# Altium PCB eRTM15_Baikal.PcbDoc (part 3 of 7) (continued)
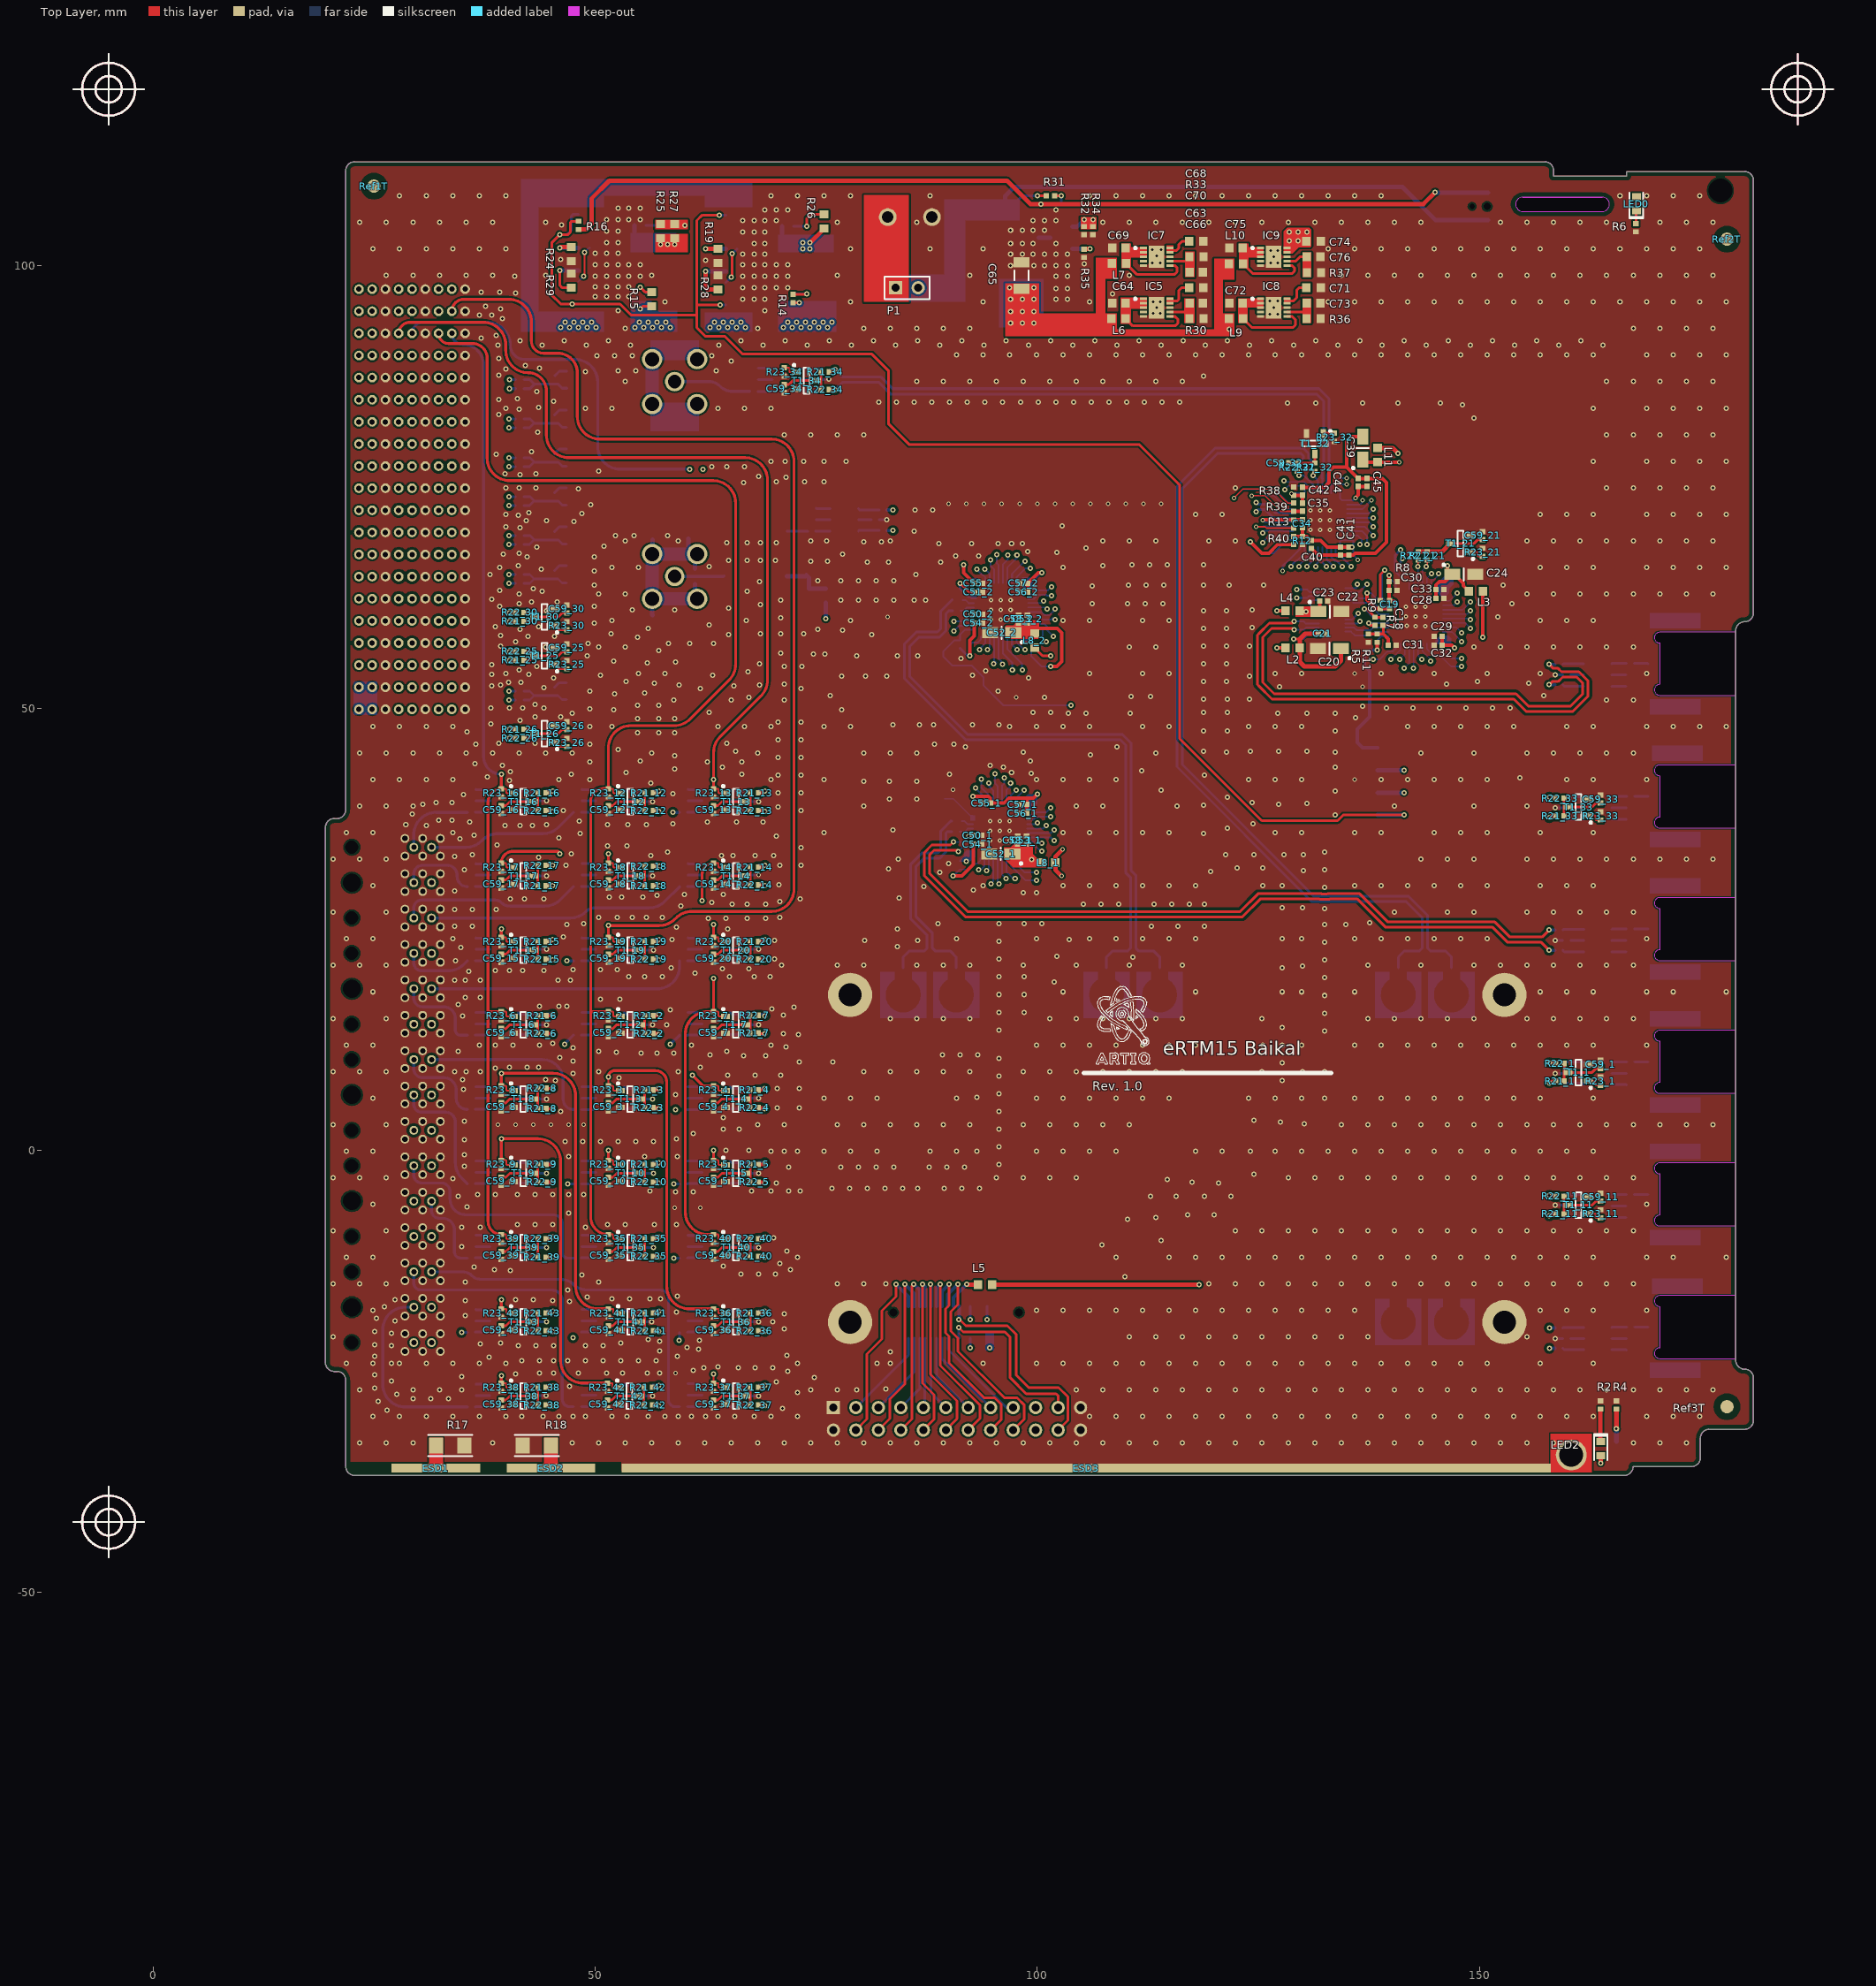
[diagram p0: Top Layer view]
## Part data (continued)
C67: library part CTE3216-18_2.2UF_25V_10%, "Polarised capacitor", Case=A, Manufacturer=GENERIC, Manufacturer1 ComponentHeight=1.8mm, Manufacturer1 Example=AVX, Manufacturer1 Part Number=TAJA225K025R, Tolerance=±10%, Voltage=25V, Author="CERN DEM JLC", Component Type=Standard, CreateDate=2008-05-26, HelpURL=\\cern.ch\dfs\Applications\Altium\Datasheets\CTE_AVX_TAJ.pdf, LatestRevisionDate=2008-05-26, Manufacturer Part Number=CTE3216-18_2.2UF_25V_10%, Mounted=Yes, Part Description="Solid Tantalum Chip Capacitor", Part Number=CTE3216-18_2.2UF_25V_10%, Pin Count=2, Sense=No, SMD=Yes, Socket=No, Status=Preferred
ESD1 ESD2 ESD3: "ESD Strip"
IC1 IC2: "Low Phase Noise, Dual Output Buffer/Driver/Logic Converter, LVPECL Logic Outputs", Case=SON12, Manufacturer="LINEAR TECHNOLOGY", Author="CERN DEM JLC", Bonding=No, ComponentHeight=0.8mm, Component Type=Standard, CreateDate=2016-12-07, Device=LTC6957IDD-1#PBF, HelpURL=\\cern.ch\dfs\Applications\Altium\Datasheets\LTC6957IDD-1#PBF.pdf, LatestRevisionDate=2016-12-07, Manufacturer Part Number=LTC6957IDD-1#PBF, Mounted=Yes, PackageDescription="SON, 0.45mm Pitch; 12 Pin, 3.00mm W X 3.00mm L X 0.80mm H Body (w/Thermal tab 1.75 x 2.48mm), IPC Medium Density", Part Description="Low Phase Noise, Dual Output Buffer/Driver/Logic Converter, LVPECL Logic Outputs", Part Number=LTC6957IDD-1#PBF, Pin Count=13, PressFit=No, Sense=No, SMD=Yes, Socket=No
IC3 IC4: "Dual SEPIC or Inverting uModule DC/DC Converter", Case=BGA77, Manufacturer="LINEAR TECHNOLOGY", Author="CERN DEM JLC", Bonding=No, ComponentHeight=2.62mm, Component Type=Standard, CreateDate=2016-12-08, Device=LTM8049EY#PBF, HelpURL=\\cern.ch\dfs\Applications\Altium\Datasheets\LTM8049EY#PBF.pdf, LatestRevisionDate=2016-12-08, Manufacturer Part Number=LTM8049EY#PBF, Mounted=Yes, PackageDescription="BGA, 1.27mm Pitch, Rect.; 77 Pin, 7 Columns X 11 Rows, 9.00mm X 15.00mm X 2.62mm H", Part Description="Dual SEPIC or Inverting uModule DC/DC Converter", Part Number=LTM8049EY#PBF, Pin Count=77, PressFit=No, Sense=No, SMD=Yes, Socket=No
IC5 IC7 IC8 IC9: "20V, 500mA, Ultralow Noise, Ultrahigh PSRR Linear Regulator", Case=SON10, Manufacturer="LINEAR TECHNOLOGY", Author="CERN DEM JLC", Bonding=No, ComponentHeight=0.8mm, Component Type=Standard, CreateDate=2016-12-07, Device=LT3045EDD#PBF, HelpURL=\\cern.ch\dfs\Applications\Altium\Datasheets\LT3045EDD#PBF.pdf, LatestRevisionDate=2016-12-07, Manufacturer Part Number=LT3045EDD#PBF, Mounted=Yes, PackageDescription="SON, 0.50mm Pitch, 10-pin, 3.00mm W  X 3.00mm L X 0.80mm Height, (w/thermal tab 1.75 X 2.48 mm), IPC Medium Density", Part Description="20V, 500mA, Ultralow Noise, Ultrahigh PSRR Linear Regulator", Part Number=LT3045EDD#PBF, Pin Count=11, PressFit=No, Sense=No, SMD=Yes, Socket=No
IC6: "3V-36V To 0.8V-10V, Iout 2A Ultralow Noise EMC Compliant DC/DC uModule", Case=LGA71, Manufacturer="LINEAR TECHNOLOGY", Author="CERN DEM JLC", Bonding=No, ComponentHeight=2.97mm, Component Type=Standard, CreateDate=2009-06-17, Device=LTM8032EV#PBF, HelpURL=\\cern.ch\dfs\Applications\Altium\Datasheets\LTM8032EV#PBF.pdf, LatestRevisionDate=2011-12-07, Manufacturer Part Number=LTM8032EV#PBF, Mounted=Yes, PackageDescription="LGA, 1.27mm pitch, rect., 71 pin, 7 columns X 11 rows, 9mm X 15mm X 2.97mm H", Part Description="3V-36V To 0.8V-10V, Iout 2A, Ultralow Noise EMC Compliant DC-DC uModule", Part Number=LTM8032EV#PBF, Pin Count=71, PressFit=No, Sense=No, SMD=Yes, Socket=No
J1 J3 J4 J5 J6 J18: library part TELEGARTNER_J01151A0451, Manufacturer=TELEGARTNER, Manufacturer Part Number=J01151A0451, Author="CERN DEM JLC", ComponentHeight=7mm, Component Type=Standard, CreateDate=27.10.2016, Family=SMA, HelpURL=\\cern.ch\dfs\Applications\Altium\Datasheets\TELEGARTNER_J01151A0451.pdf, LatestRevisionDate=27.10.2016, Mounted=Yes, Part Description="SMA 50 ohms Edge Mount Bulkhead Jack Receptacle", Part Number=TELEGARTNER_J01151A0451, Pin Count=2, PressFit=No, Sense=No, SMD=No, Socket=No, Status=None
J1_15 J2_15 J3_15 J4_15 J5_15: Manufacturer=Radiall, ManufacturerNr=R694.252.107W, Distributor=Radiall, DistributorNr=R694.252.107W
J2: library part SAMTEC_LSS-120-03-L-DV-A, "Connector 40 Hermaphroditic", Manufacturer=SAMTEC, Manufacturer Part Number=LSS-120-03-L-DV-A, Author="CERN DEM JMW", ComponentHeight=5.57mm, Component Type=Standard, CreateDate=10.11.2015, HelpURL=\\cern.ch\dfs\Applications\Altium\Datasheets\SAMTEC_LSS-120-03-L-DV-A.pdf, LatestRevisionDate=10.11.2015, Mounted=Yes, Part Description="40 Contacts, Pitch 0.635mm, Razor Beam LSS Vertical High Speed Hermaphroditic Strip (Lead Style 5.49mm)", Part Number=SAMTEC_LSS-120-03-L-DV-A, Pin Count=40, PressFit=No, Sense=No, SMD=Yes, Socket=No, Status=None
J7 J8: library part HUBER-SUHNER_82_SMA-50-0-41/133_NE, Manufacturer=HUBER+SUHNER, Manufacturer Part Number=82_SMA-50-0-41/133_NE, Author="CERN DEM JLC", ComponentHeight=9.6mm, Component Type=Standard, CreateDate=2010-04-20, Family=SMA, HelpURL=\\cern.ch\dfs\Applications\Altium\Datasheets\HUBER-SUHNER_82_SMA-50-0-41-133_NE.pdf, LatestRevisionDate=2014-11-06, Mounted=Yes, Part Description="SMA 50 Ohms Straight PCB Jack", Part Number=HUBER-SUHNER_82_SMA-50-0-41/133_NE, Pin Count=2, PressFit=No, Sense=No, SMD=No, Socket=No, Status=None
J9 J10 J11 J12 J13 J14 J15 J16: library part MOLEX_85305-0232, Manufacturer=MOLEX, Manufacturer Part Number=85305-0232, Author="CERN DEM JMW", ComponentHeight=4.1mm, Component Type=Standard, CreateDate=09.08.2016, Family=SMP, HelpURL=\\cern.ch\dfs\Applications\Altium\Datasheets\MOLEX_85305-0232.pdf, LatestRevisionDate=09.08.2016, Mounted=Yes, Part Description="50 Ohms, SMP Surface Mount Plug, Limited Detent", Part Number=MOLEX_85305-0232, Pin Count=2, PressFit=No, Sense=No, SMD=Yes, Socket=No, Status=None
J17: library part WIELAND_25.161.0253.0, "Terminal Block, 2 Positions, Screw Connection", Manufacturer=WIELAND, Manufacturer Part Number=25.161.0253.0, Author="CERN DEM JLC", ComponentHeight=15mm, Component Type=Standard, CreateDate=2009-06-03, Family=Terminal, HelpURL=\\cern.ch\dfs\Applications\Altium\Datasheets\WIELAND_25.161.0253.0.pdf, LatestRevisionDate=2009-06-03, Mounted=Yes, Part Description="16A 250VAC 2 Way PCB Terminal Block, Pitch 5mm, Screw Connection, Wire Size Max: 2.5mm2", Part Number=WIELAND_25.161.0253.0, Pin Count=3, PressFit=No, Sense=No, SMD=No, Socket=No, Status=None
J30: library part "ERmetZD 3-10 Connector 1", "Zone3 Backplane Connector - eRTM15 J30", Manufacturer=ERNI, ManufacturerNr=973028, Distributor=ERNI, DistributorNr=973028, Package=*, Type=THT, Value=*
J31: library part "ERmetZD 3-10 Connector 2", "Zone3 Backplane Connector - eRTM15 J31", Manufacturer=ERNI, ManufacturerNr=973028, Distributor=ERNI, DistributorNr=973028, Type=THT
L1 L2 L3 L4 L5 L6 L7 L8_1 L8_2 L9 L10 L11: library part IND0603_TDK_MPZ1608R391A, "Inductor", Case=0603, Manufacturer=TDK, Manufacturer Part Number=MPZ1608R391A, Power=1.2A, Resistance=0.12R, Tolerance=±25%, Author="CERN DEM JLC", ComponentHeight=0.95mm, Component Type=Standard, CreateDate=2009-12-02, HelpURL=\\cern.ch\dfs\Applications\Altium\Datasheets\IND0603_TDK_MPZ1608.pdf, LatestRevisionDate=2009-12-02, Mounted=Yes, Part Description="SMT Chip Bead for Power Line", Part Number=IND0603_TDK_MPZ1608R391A, Pin Count=2, Sense=No, SMD=Yes, Socket=No, Status=None
LED0: library part LED2, "LED", Package=0603, Type=SMT
LED1 LED2: library part LED3, "LED", Package=0603, Type=SMT
M1_1 M1_2: library part BMI-S-202-F, "STANDARD SURFACE MOUNT SHIELD  TWO-PIECE PART NO. BMI-S-202", Manufacturer="Laird Technologies", Manufacturer part name=BMI-S-202-F, Mounting type=SMT, Remark="part 1 - gasket, part 2 - cover", Supplier=Mouser, Supplier part 1 number=739-BMIS-202-F, Supplier part 2 number=739-BMIS-202-C
MSBOX2: library part MSBOX_WURTH_36103305, "Metal Screening Box 20 (4x5) Pins", Manufacturer=WURTH, Manufacturer Part Number=36103305, Author="CERN DEM JLC", ComponentHeight=3.1mm, Component Type=Standard, CreateDate=2012-07-02, HelpURL=\\cern.ch\dfs\Applications\Altium\Datasheets\MSBOX_WURTH_36103305.pdf, LatestRevisionDate=2012-07-02, Mounted=Yes, PackageDescription="Shielding Cabinet SMD-Frame WE-SHC, Internal Dimensions 30 x 30mm", Part Description="Shielding Cabinet SMD-Frame WE-SHC, Internal Dimensions 30 x 30mm", Part Number=MSBOX_WURTH_36103305, Pin Count=20, PressFit=No, Sense=No, SMD=Yes, Socket=No, Status=None
OSC1: library part OSC_100MHZ_CRYSTEK_CVHD-950-100.000, "Oscillator 4 pins 1=VC 2=GND 3=OUT 4=VDD", Manufacturer="CRYSTEK CRYSTAL", Manufacturer Part Number=CVHD-950-100.000, Author="CERN DEM BC", Bonding=No, ComponentHeight=5.3mm, Component Type=Standard, CreateDate=2016-11-04, HelpURL=\\cern.ch\dfs\Applications\Altium\Datasheets\OSC_CRYSTEK_CVHD-950.pdf, LatestRevisionDate=2016-11-04, Mounted=Yes, PackageDescription="Oscillator, 5.08mm Pitch; 4 Pin, 14.2mm L X 9.14mm W X 5.3mm H, CVHD-950 Serie", Part Description="3.3V, ±20ppm, 15pF, 0..70°C, CMOS Surface Mount Ultra-Low Noise Oscillator (CVHD-950 Series)", Part Number=OSC_100MHZ_CRYSTEK_CVHD-950-100.000, Pin Count=4, PressFit=No, Sense=No, SMD=Yes, Socket=No
P1: "Header, 2-Pin", LatestRevisionDate=17-Jul-2002, LatestRevisionNote="Re-released for DXP Platform.", Publisher="Altium Limited"
P2: "Header, 12-Pin, Dual row", LatestRevisionDate=17-Jul-2002, LatestRevisionNote="Re-released for DXP Platform.", Publisher="Altium Limited"
R1 R23_1 R23_2 R23_3 R23_4 R23_5 R23_6 R23_7 R23_8 R23_9 R23_10 R23_11 R23_12 R23_13 R23_14 R23_15 R23_16 R23_17 R23_18 R23_19 R23_20 R23_21 R23_22 R23_23 R23_24 R23_25 R23_26 R23_27 R23_28 R23_29 R23_30 R23_31 R23_32 R23_33 R23_34 R23_35 R23_36 R23_37 R23_38 R23_39 R23_40 R23_41 R23_42 R23_43: library part R0402_10K_1%_0.0625W_100PPM, "Resistor - 1%", Case=0402, Manufacturer=GENERIC, Manufacturer1 ComponentHeight=0.4mm, Manufacturer1 Example="YAGEO PHYCOMP", Manufacturer1 Part Number=232270671003L, Power=0.0625W, Tolerance=±1%, Author="CERN DEM JLC", Component Type=Standard, CreateDate=2007-12-03, HelpURL=\\cern.ch\dfs\Applications\Altium\Datasheets\R0402_Phycomp_RC0402.pdf, LatestRevisionDate=2012-10-17, Manufacturer Part Number=R0402_10K_1%_0.0625W_100PPM, Mounted=Yes, Part Description="General Purpose Thick Film Chip Resistor", Part Number=R0402_10K_1%_0.0625W_100PPM, Pin Count=2, Sense=No, SMD=Yes, Socket=No, Status="Not recommended", TC=±100ppm/°C
R1_1 R1_2 R1_3 R1_4 R1_5 R1_6 R1_7 R1_8 R1_9 R1_10 R1_11 R1_12 R1_13 R1_14 R1_15 R1_16 R1_17 R1_18 R1_19 R1_20 R1_21 R1_22 R1_23 R1_24 R1_25 R1_26 R1_27 R1_28 R1_29 R1_30 R1_31 R1_32 R1_33 R1_34 R1_35 R7 R9 R13 R31 R39: library part R0402_0R_JUMPER, "Resistor", Case=0402, Manufacturer=GENERIC, Manufacturer1 ComponentHeight=0.4mm, Manufacturer1 Example="YAGEO PHYCOMP", Manufacturer1 Part Number=232270591001L, Author="CERN DEM JLC", Component Type=Standard, CreateDate=2007-12-03, HelpURL=\\cern.ch\dfs\Applications\Altium\Datasheets\R0402_Phycomp_RC0402.pdf, LatestRevisionDate=2012-10-17, Manufacturer Part Number=R0402_0R_JUMPER, Part Description="1A (0.05R Max DC Resistance) Zero Ohm Jumper", Part Number=R0402_0R_JUMPER, Pin Count=2, Sense=No, SMD=Yes, Socket=No, Status="Not recommended"
  R1_1 R1_2 R1_3 R1_4 R1_5 R1_6 R1_7 R1_8 R1_9 R1_10 R1_11 R1_12 R1_13 R1_14 R1_15 R1_16 R1_17 R1_18 R1_19 R1_20 R1_21 R1_22 R1_23 R1_24 R1_25 R1_26 R1_27 R1_28 R1_29 R1_30 R1_31 R1_32 R1_33 R1_34 R1_35 R31: Mounted=Yes
  R7 R9 R13 R39: Mounted=DNP
R2 R4 R6: library part R0402_330R_1%_0.0625W_100PPM, "Resistor - 1%", Case=0402, Manufacturer=GENERIC, Manufacturer1 ComponentHeight=0.4mm, Manufacturer1 Example="YAGEO PHYCOMP", Manufacturer1 Part Number=232270673301L, Power=0.0625W, Tolerance=±1%, Author="CERN DEM JLC", Component Type=Standard, CreateDate=2007-12-03, HelpURL=\\cern.ch\dfs\Applications\Altium\Datasheets\R0402_Phycomp_RC0402.pdf, LatestRevisionDate=2012-10-17, Manufacturer Part Number=R0402_330R_1%_0.0625W_100PPM, Mounted=Yes, Part Description="General Purpose Thick Film Chip Resistor", Part Number=R0402_330R_1%_0.0625W_100PPM, Pin Count=2, Sense=No, SMD=Yes, Socket=No, Status="Not recommended", TC=±100ppm/°C
R3 R10: library part R0402_100R_1%_0.0625W_100PPM, "Resistor - 1%", Case=0402, Manufacturer=GENERIC, Manufacturer1 ComponentHeight=0.4mm, Manufacturer1 Example="YAGEO PHYCOMP", Manufacturer1 Part Number=232270671001L, Power=0.0625W, Tolerance=±1%, Author="CERN DEM JLC", Component Type=Standard, CreateDate=2007-12-03, HelpURL=\\cern.ch\dfs\Applications\Altium\Datasheets\R0402_Phycomp_RC0402.pdf, LatestRevisionDate=2012-10-17, Manufacturer Part Number=R0402_100R_1%_0.0625W_100PPM, Mounted=Yes, Part Description="General Purpose Thick Film Chip Resistor", Part Number=R0402_100R_1%_0.0625W_100PPM, Pin Count=2, Sense=No, SMD=Yes, Socket=No, Status="Not recommended", TC=±100ppm/°C
R5 R8 R12 R38: library part R0402_49R9_1%_0.0625W_100PPM, "Resistor - 1%", Case=0402, Manufacturer=GENERIC, Manufacturer1 ComponentHeight=0.4mm, Manufacturer1 Example="YAGEO PHYCOMP", Manufacturer1 Part Number="232270674999L or RC0402FR-0749R9L", Power=0.0625W, Tolerance=±1%, Author="CERN DEM JLC", Component Type=Standard, CreateDate=2012-10-24, HelpURL=\\cern.ch\dfs\Applications\Altium\Datasheets\R0402_Phycomp_RC0402.pdf, LatestRevisionDate=2012-10-24, Manufacturer Part Number=R0402_49R9_1%_0.0625W_100PPM, Mounted=Yes, Part Description="General Purpose Thick Film Chip Resistor", Part Number=R0402_49R9_1%_0.0625W_100PPM, Pin Count=2, Sense=No, SMD=Yes, Socket=No, Status="Not recommended", TC=±100ppm/°C
R11 R16 R20_1 R20_2 R40: library part R0402_4K7_1%_0.0625W_100PPM, "Resistor - 1%", Case=0402, Manufacturer=GENERIC, Manufacturer1 ComponentHeight=0.4mm, Manufacturer1 Example="YAGEO PHYCOMP", Manufacturer1 Part Number=232270674702L, Power=0.0625W, Tolerance=±1%, Author="CERN DEM JLC", Component Type=Standard, CreateDate=2007-12-03, HelpURL=\\cern.ch\dfs\Applications\Altium\Datasheets\R0402_Phycomp_RC0402.pdf, LatestRevisionDate=2012-10-17, Manufacturer Part Number=R0402_4K7_1%_0.0625W_100PPM, Mounted=Yes, Part Description="General Purpose Thick Film Chip Resistor", Part Number=R0402_4K7_1%_0.0625W_100PPM, Pin Count=2, Sense=No, SMD=Yes, Socket=No, Status="Not recommended", TC=±100ppm/°C
R14 R34: library part R0402_130K_1%_0.0625W_100PPM, "Resistor - 1%", Case=0402, Manufacturer=GENERIC, Manufacturer1 ComponentHeight=0.4mm, Manufacturer1 Example="YAGEO PHYCOMP", Manufacturer1 Part Number=232270671304L, Power=0.0625W, Tolerance=±1%, Author="CERN DEM JLC", Component Type=Standard, CreateDate=2007-12-03, HelpURL=\\cern.ch\dfs\Applications\Altium\Datasheets\R0402_Phycomp_RC0402.pdf, LatestRevisionDate=2012-10-17, Manufacturer Part Number=R0402_130K_1%_0.0625W_100PPM, Mounted=Yes, Part Description="General Purpose Thick Film Chip Resistor", Part Number=R0402_130K_1%_0.0625W_100PPM, Pin Count=2, Sense=No, SMD=Yes, Socket=No, Status="Not recommended", TC=±100ppm/°C
R15: library part R0603_57K6_0.1%_0.063W_10PPM, "Resistor - 0.1%", Case=0603, Manufacturer=GENERIC, Manufacturer1 ComponentHeight=0.5mm, Manufacturer1 Example="TYCO HOLSWORTHY", Manufacturer1 Part Number=RN73C1J57K6BTDF, Power=0.063W, Tolerance=±0.1%, Author="CERN DEM JLC", Component Type=Standard, CreateDate=2007-12-03, HelpURL=\\cern.ch\dfs\Applications\Altium\Datasheets\R0603_Tyco_RN73.pdf, LatestRevisionDate=2008-03-13, Manufacturer Part Number=R0603_57K6_0.1%_0.063W_10PPM, Mounted=Yes, Part Description="Thin Film Chip Resistor", Part Number=R0603_57K6_0.1%_0.063W_10PPM, Pin Count=2, Sense=No, SMD=Yes, Socket=No, Status="Not recommended", TC=±10ppm
R17 R18: library part Res3, "Resistor", Manufacturer=MULTICOMP, ManufacturerNr=MCHP06W2F1005T5E, Package=1206, Power=0.5W, Temp. Coeff.=100ppm, Voltage=50V, Distributor=Farnell, DistributorNr=1576694, Type=SMT
R19 R28: library part R0603_80K6_0.1%_0.063W_10PPM, "Resistor - 0.1%", Case=0603, Manufacturer=GENERIC, Manufacturer1 ComponentHeight=0.5mm, Manufacturer1 Example="TYCO HOLSWORTHY", Manufacturer1 Part Number=RN73C1J80K6BTDF, Power=0.063W, Tolerance=±0.1%, Author="CERN DEM JLC", Component Type=Standard, CreateDate=2007-12-03, HelpURL=\\cern.ch\dfs\Applications\Altium\Datasheets\R0603_Tyco_RN73.pdf, LatestRevisionDate=2008-03-13, Manufacturer Part Number=R0603_80K6_0.1%_0.063W_10PPM, Mounted=Yes, Part Description="Thin Film Chip Resistor", Part Number=R0603_80K6_0.1%_0.063W_10PPM, Pin Count=2, Sense=No, SMD=Yes, Socket=No, Status="Not recommended", TC=±10ppm
R21_1 R21_2 R21_3 R21_4 R21_5 R21_6 R21_7 R21_8 R21_9 R21_10 R21_11 R21_12 R21_13 R21_14 R21_15 R21_16 R21_17 R21_18 R21_19 R21_20 R21_21 R21_22 R21_23 R21_24 R21_25 R21_26 R21_27 R21_28 R21_29 R21_30 R21_31 R21_32 R21_33 R21_34 R21_35 R21_36 R21_37 R21_38 R21_39 R21_40 R21_41 R21_42 R21_43 R22_1 R22_2 R22_3 R22_4 R22_5 R22_6 R22_7 R22_8 R22_9 R22_10 R22_11 R22_12 R22_13 R22_14 R22_15 R22_16 R22_17 R22_18 R22_19 R22_20 R22_21 R22_22 R22_23 R22_24 R22_25 R22_26 R22_27 R22_28 R22_29 R22_30 R22_31 R22_32 R22_33 R22_34 R22_35 R22_36 R22_37 R22_38 R22_39 R22_40 R22_41 R22_42 R22_43: library part R0402_200R_1%_0.0625W_100PPM, "Resistor - 1%", Case=0402, Manufacturer=GENERIC, Manufacturer1 ComponentHeight=0.4mm, Manufacturer1 Example="YAGEO PHYCOMP", Manufacturer1 Part Number=232270672001L, Power=0.0625W, Tolerance=±1%, Author="CERN DEM JLC", Component Type=Standard, CreateDate=2007-12-03, HelpURL=\\cern.ch\dfs\Applications\Altium\Datasheets\R0402_Phycomp_RC0402.pdf, LatestRevisionDate=2012-10-17, Manufacturer Part Number=R0402_200R_1%_0.0625W_100PPM, Mounted=Yes, Part Description="General Purpose Thick Film Chip Resistor", Part Number=R0402_200R_1%_0.0625W_100PPM, Pin Count=2, Sense=No, SMD=Yes, Socket=No, Status="Not recommended", TC=±100ppm/°C
R24 R29: library part R0603_107K_0.1%_0.063W_10PPM, "Resistor - 0.1%", Case=0603, Manufacturer=GENERIC, Manufacturer1 ComponentHeight=0.5mm, Manufacturer1 Example="TYCO HOLSWORTHY", Manufacturer1 Part Number=RN73C1J107KBTDF, Power=0.063W, Tolerance=±0.1%, Author="CERN DEM JLC", Component Type=Standard, CreateDate=2007-12-03, HelpURL=\\cern.ch\dfs\Applications\Altium\Datasheets\R0603_Tyco_RN73.pdf, LatestRevisionDate=2008-03-13, Manufacturer Part Number=R0603_107K_0.1%_0.063W_10PPM, Mounted=Yes, Part Description="Thin Film Chip Resistor", Part Number=R0603_107K_0.1%_0.063W_10PPM, Pin Count=2, Sense=No, SMD=Yes, Socket=No, Status="Not recommended", TC=±10ppm
R25 R26 R27: library part R0603_143K_0.1%_0.063W_10PPM, "Resistor - 0.1%", Case=0603, Manufacturer=GENERIC, Manufacturer1 ComponentHeight=0.5mm, Manufacturer1 Example="TYCO HOLSWORTHY", Manufacturer1 Part Number=RN73C1J143KBTDF, Power=0.063W, Tolerance=±0.1%, Author="CERN DEM JLC", Component Type=Standard, CreateDate=2007-12-03, HelpURL=\\cern.ch\dfs\Applications\Altium\Datasheets\R0603_Tyco_RN73.pdf, LatestRevisionDate=2008-03-13, Manufacturer Part Number=R0603_143K_0.1%_0.063W_10PPM, Mounted=Yes, Part Description="Thin Film Chip Resistor", Part Number=R0603_143K_0.1%_0.063W_10PPM, Pin Count=2, Sense=No, SMD=Yes, Socket=No, Status="Not recommended", TC=±10ppm
R30 R33 R36 R37: library part R0603_33K2_0.1%_0.063W_10PPM, "Resistor - 0.1%", Case=0603, Manufacturer=GENERIC, Manufacturer1 ComponentHeight=0.5mm, Manufacturer1 Example="TYCO HOLSWORTHY", Manufacturer1 Part Number=RN73C1J33K2BTDF, Power=0.063W, Tolerance=±0.1%, Author="CERN DEM JLC", Component Type=Standard, CreateDate=2007-12-03, HelpURL=\\cern.ch\dfs\Applications\Altium\Datasheets\R0603_Tyco_RN73.pdf, LatestRevisionDate=2008-03-13, Manufacturer Part Number=R0603_33K2_0.1%_0.063W_10PPM, Mounted=Yes, Part Description="Thin Film Chip Resistor", Part Number=R0603_33K2_0.1%_0.063W_10PPM, Pin Count=2, Sense=No, SMD=Yes, Socket=No, Status="Not recommended", TC=±10ppm
R32: library part R0402_150K_1%_0.0625W_100PPM, "Resistor - 1%", Case=0402, Manufacturer=GENERIC, Manufacturer1 ComponentHeight=0.4mm, Manufacturer1 Example="YAGEO PHYCOMP", Manufacturer1 Part Number=232270671504L, Power=0.0625W, Tolerance=±1%, Author="CERN DEM JLC", Component Type=Standard, CreateDate=2007-12-03, HelpURL=\\cern.ch\dfs\Applications\Altium\Datasheets\R0402_Phycomp_RC0402.pdf, LatestRevisionDate=2012-10-17, Manufacturer Part Number=R0402_150K_1%_0.0625W_100PPM, Mounted=Yes, Part Description="General Purpose Thick Film Chip Resistor", Part Number=R0402_150K_1%_0.0625W_100PPM, Pin Count=2, Sense=No, SMD=Yes, Socket=No, Status="Not recommended", TC=±100ppm/°C
R35: library part R0402_51K_1%_0.0625W_100PPM, "Resistor - 1%", Case=0402, Manufacturer=GENERIC, Manufacturer1 ComponentHeight=0.4mm, Manufacturer1 Example="YAGEO PHYCOMP", Manufacturer1 Part Number=232270674703L, Power=0.0625W, Tolerance=±1%, Author="CERN DEM JLC", Component Type=Standard, CreateDate=2007-12-03, HelpURL=\\cern.ch\dfs\Applications\Altium\Datasheets\R0402_Phycomp_RC0402.pdf, LatestRevisionDate=2012-10-17, Manufacturer Part Number=R0402_51K_1%_0.0625W_100PPM, Mounted=Yes, Part Description="General Purpose Thick Film Chip Resistor", Part Number=R0402_51K_1%_0.0625W_100PPM, Pin Count=2, Sense=No, SMD=Yes, Socket=No, Status="Not recommended", TC=±100ppm/°C
R41 R42 R43 R44 R45 R46 R47 R48: library part R0402_4K7_1%_0.0625W_100PPM, "Resistor - 1%", Case=0402, Manufacturer=GENERIC, Manufacturer1 ComponentHeight=0.4mm, Manufacturer1 Example="YAGEO PHYCOMP", Manufacturer1 Part Number=RC0402FR-07100KL, Part Number=R0402_100k_1%_0.0625W_100PPM, Power=0.0625W, Tolerance=±1%, Author="CERN DEM JLC", Component Type=Standard, CreateDate=2007-12-03, HelpURL=\\cern.ch\dfs\Applications\Altium\Datasheets\R0402_Phycomp_RC0402.pdf, LatestRevisionDate=2012-10-17, Manufacturer Part Number=R0402_4K7_1%_0.0625W_100PPM, Mounted=Yes, Part Description="General Purpose Thick Film Chip Resistor", Pin Count=2, Sense=No, SMD=Yes, Socket=No, Status="Not recommended", TC=±100ppm/°C
Ref1B Ref1T Ref2B Ref2T Ref3B Ref3T: library part Ref_Pad, "Reference Pad for SMD assembling", Package=RefPad_1.5mm
S1: library part "4-pin Switch", "Mikroschalter fuer AMC-Modul (Schliesser)", Manufacturer=Schroff, Distributor=Schroff, DistributorNr=20849-209, ManufacturerNr=20849-209, Package="4-pin Switch", Type=SMT
SW1: library part SW_CTS_219-4MST, "4 Ways SPST DIP Switch", Manufacturer="CTS ELECTROCOMPONENTS", Manufacturer Part Number=219-4MST, Author="CERN DEM JLC", ComponentHeight=2.23mm, Component Type=Standard, CreateDate=2014-11-17, Family=Switch, HelpURL=\\cern.ch\dfs\Applications\Altium\Datasheets\SW_CTS_219-4MST.pdf, LatestRevisionDate=2014-11-17, Mounted=Yes, PackageDescription="Pitch 2.54mm, Body 6.7 x 11.63mm, 4 Ways SPST Surface-Mounting DIP Switch, CTS 219 Series", Part Description="4 Ways, Pitch 2.54mm, SPST DIP Switch, Rating 100mA 50VDC", Part Number=SW_CTS_219-4MST, Pin Count=8, PressFit=No, Sense=No, SMD=Yes, Socket=No, Status=None
T1_1 T1_2 T1_3 T1_4 T1_5 T1_6 T1_7 T1_8 T1_9 T1_10 T1_11 T1_12 T1_13 T1_14 T1_15 T1_16 T1_17 T1_18 T1_19 T1_20 T1_21 T1_22 T1_23 T1_24 T1_25 T1_26 T1_27 T1_28 T1_29 T1_30 T1_31 T1_32 T1_33 T1_34 T1_35 T1_36 T1_37 T1_38 T1_39 T1_40 T1_41 T1_42 T1_43: "N-CHANNEL MOSFET WITH DIODE", Case=SOT23-3, Manufacturer="NXP SEMICONDUCTORS", Author="CERN DEM JLC", Bonding=No, ComponentHeight=1.1mm, Component Type=Standard, CreateDate=2010-03-16, Device=BSH103, HelpURL=\\cern.ch\dfs\Applications\Altium\Datasheets\BSH103.pdf, LatestRevisionDate=2012-02-01, Manufacturer Part Number=BSH103, Mounted=Yes, PackageDescription="SOT23, 3 pin, Pitch 0.95mm - 1.3mm W X 2.9mm L X 1.1mm H, IPC Medium Density", Part Description="30V 850mA N-Channel Enhancement Mode Field-Effect Transistor", Part Number=BSH103, Pin Count=3, PressFit=No, Sense=No, SMD=Yes, Socket=No
TR1_1 TR1_2 TR1_3 TR1_4 TR1_5 TR1_6 TR1_7 TR1_8 TR1_9 TR1_10 TR1_11 TR1_12 TR1_13 TR1_14 TR1_15 TR1_16 TR1_17 TR1_18 TR1_19 TR1_20 TR1_21 TR1_22 TR1_23 TR1_24 TR1_25 TR1_26 TR1_27 TR1_28 TR1_29 TR1_30 TR1_31 TR1_32 TR1_33 TR1_34 TR1_35: library part XFMR_MINI-CIRCUITS_TCM2-43X+, "50 OHMS 10 to 4000 MHz RF Transformer", Manufacturer=MINI-CIRCUITS, Power=0.4W, Author="CERN DEM BC", ComponentHeight=4.06mm, Component Type=Standard, CreateDate=2016-02-12, HelpURL=\\cern.ch\dfs\Applications\Altium\Datasheets\XFMR_MINI-CIRCUITS_TCM2-43X+.pdf, LatestRevisionDate=2016-02-12, Manufacturer Part Number=TCM2-43X+, Mounted=Yes, Part Description="50 Ohms 10 to 4000MHz RF Transformer", Part Number=XFMR_MINI-CIRCUITS_TCM2-43X+, Pin Count=6, Sense=No, SMD=Yes, Socket=No, Status=None
U1 U2 U3_1 U3_2: library part CMP-0884-00036-1, "2 Selectable Inputs, 12 LVPECL Outputs, SiGe Clock Fanout Buffer, 3.3 V Supply, Industrial, 40-pin QFN (CP-40-8), Tray", Manufacturer="Analog Devices", Supply Voltage (V)=3.3, # of Inputs=2, # of Outputs=12, Code_JEDEC=MO-220-VJJD-2, ComponentLink1Description="Manufacturer URL", ComponentLink1URL=http://www.analog.com/en/index.html, ComponentLink2Description=Datasheet, ComponentLink2URL=http://www.analog.com/static/imported-files/data_sheets/ADCLK954.pdf, ComponentLink3Description="Package Specification", ComponentLink3URL=http:/www.analog.com/static/imported-files/packages/PKG_PDF/LFCSP(CP)/CP_40_8.pdf, ComponentLink4Description="Product URL", ComponentLink4URL=http://www.analog.com/en/clock-and-timing/clock-generation-and-distribution/adclk954/products/product.html, DatasheetVersion="Rev. B", I/O Interface="Pin Select", Max f-out="4.8 GHz", Mounting Technology="Surface Mount", On-Chip VCO or DCO=No, Output Logic=LVPECL, PackageDescription="40-Pin Lead Frame Chip Scale Package, Body 6 x 6 mm, Pitch 0.5 mm", PackageReference=CP-40-8, PackageVersion="082708-A, 08/2008", Packing=Tray, PartNumber=ADCLK954BCPZ

## Free pads (board coordinates)
  round 5 hole 2.6: 0(78.84,-19.44) 0(78.84,17.56) 0(152.84,-19.44) 0(152.84,17.56)
  round 0.3 hole 0.6 unplated: 0(149.18,106.7)
  round 0.5 hole 0.8 unplated: 0(150.88,106.7)
  round 3.5 hole 2.7: 0(160.4,-34.45)
  round 1.524 hole 2.7 unplated: 1(177.25,108.5)

## Via types
v1: diameter 0.6, hole 0.3, Top Layer to Bottom Layer, 2289 vias
v2: diameter 0.6, hole 0.3, Top Layer to Bottom Layer, tented both sides, 49 vias
v3: diameter 0.5, hole 0.2, Top Layer to Bottom Layer, 36 vias
v4: diameter 0.5, hole 0.3, Top Layer to Bottom Layer, 34 vias
v5: diameter 0.5, hole 0.3, Top Layer to Bottom Layer, tented both sides, 12 vias

## Nets (pads, with @x,y where several pads share a name; then routed paths per layer and width w, separated by ;. In a path a pad name is that pad's centre, name@x,y a point inside that pad or via, vN(x,y) a via of type N, cw(c..) or ccw(c..) an arc to the next point about the centre after c; other vN are vias at no path point)
CLK1_N: IC1.10 U1.3 | length 5.1
  Bottom Layer w0.2: IC1.10@134.85,59.075 135.825,59.075 136.1,58.8 137.701,58.8 138.001,59.1 U1.3@139.75,59.1
CLK1_P: IC1.11 U1.2 | length 5.2
  Bottom Layer w0.2: IC1.11@134.85,58.625 135.475,58.625 135.9,58.2 137.8,58.2 138.2,58.6 U1.2@139.75,58.6
CLK2_N: IC2.10 U1.7 | length 5.5
  Bottom Layer w0.2: IC2.10@134.85,62.65 136.15,62.65 136.4,62.4 137.507,62.4 138.807,61.1 139.2,61.1 U1.7@139.75,61.1
CLK2_P: IC2.11 U1.6 | length 5.6
  Bottom Layer w0.2: IC2.11@134.85,62.2 135.45,62.2 135.75,61.9 137.3,61.9 138.6,60.6 U1.6@139.75,60.6
CLK4A_N: J30.7d R22_31.1 U1.39 | length 180.4
  RF_Layer_1 w0.16: J30.7d@29.3,57.35 28.78,57.87 28.78,58.064 29.136,58.42 36.119,58.42 36.395,58.143 36.395,51.905 37.13,51.17 40.005,51.17 v1(40.275,50.9)
  RF_Layer_6 w0.16: v1(40.275,50.9) 40.545,51.17 41.691,51.17 49.06,58.539 49.06,68.6 51.46,71 78.351,71 81.125,73.775 117.475,73.775 125.1,81.4 145.6,81.4 146.7,80.3 146.7,70.2 145.8,69.3 140.949,69.3 138.14,66.491 138.14,58.609 140.3,56.449 140.3,55.8 v1(140,55.5)
  RF_Layer_6 w0.17: J30.7d@29.3,57.35 J30.7d@29.65,57
  Bottom Layer w0.16: v1(140,55.5) 141.05,56.55 U1.39@141.05,57.3
  Bottom Layer w0.3: v1(40.275,50.9) R22_31.1@41.005,50.9
CLK4A_P: J30.7c R21_31.1 U1.38 | length 181.3
  RF_Layer_1 w0.16: J30.7c@27.8,57.35 28.32,57.87 28.32,58.255 28.945,58.88 29.136,58.88 29.141,58.885 36.311,58.885 ; 36.702,58.495 36.702,58.488 36.855,58.334 36.855,52.095 37.321,51.63 40.005,51.63 v1(40.275,51.9)
  RF_Layer_1 w0.17: 36.311,58.885 36.702,58.495
  RF_Layer_3 w0.17: J30.7c@27.8,57.35 J30.7c@27.85,57.35
  RF_Layer_6 w0.16: v1(40.275,51.9) 40.545,51.63 41.5,51.63 48.6,58.73 48.6,68.791 51.269,71.46 78.16,71.46 80.935,74.235 117.284,74.235 124.909,81.86 145.791,81.86 147.16,80.491 147.16,70.009 145.991,68.84 141.14,68.84 138.6,66.3 138.6,58.8 140.76,56.64 140.76,55.74 v1(141,55.5)
  Bottom Layer w0.16: v1(141,55.5) 141.55,56.05 U1.38@141.55,57.3
  Bottom Layer w0.3: v1(40.275,51.9) R21_31.1@41.005,51.9
CLK5A_N: J30.6f R22_25.1 U1.36 | length 174.2
  Top Layer w0.3: v1(40.3,56.4) R22_25.1@41.03,56.4
  RF_Layer_6 w0.16: J30.6f@33.8,59.85 33.28,59.33 33.28,59.03 33.432,58.877 37.774,58.877 38.415,58.237 38.415,56.454 38.739,56.13 40.03,56.13 v1(40.3,56.4) 40.57,56.13 41.7,56.13 46.8,61.23 46.8,69.04 50.72,72.96 77.46,72.96 80.36,75.86 116.6,75.86 124.5,83.76 146.991,83.76 148.96,81.791 148.96,68.709 147.591,67.34 143.291,67.34 141.96,66.009 141.96,62.76 139.9,60.7 139.9,60.1 142.36,57.64 142.36,54.69 v1(142.55,54.5)
  Bottom Layer w0.16: v1(142.55,54.5) U1.36@142.55,57.3
CLK5A_P: J30.6e R21_25.1 U1.37 | length 174.5
  Top Layer w0.3: v1(40.3,55.4) R21_25.1@41.03,55.4
  RF_Layer_6 w0.16: J30.6e@32.3,59.85 32.82,59.33 32.82,58.839 33.242,58.417 37.569,58.417 37.948,58.039 37.948,56.271 38.548,55.67 40.03,55.67 v1(40.3,55.4) 40.57,55.67 41.891,55.67 47.26,61.039 47.26,68.85 50.91,72.5 77.651,72.5 80.551,75.4 116.791,75.4 124.691,83.3 146.8,83.3 148.5,81.6 148.5,68.9 147.4,67.8 143.1,67.8 141.5,66.2 141.5,62.951 139.44,60.891 139.44,59.909 141.9,57.449 141.9,54.9 v1(141.5,54.5)
  Bottom Layer w0.16: v1(141.5,54.5) 142.05,55.05 U1.37@142.05,57.3
CLK6A_N: J30.5d R22_30.1 U1.34 | length 179.3
  Top Layer w0.3: v1(40.3,60.8) R22_30.1@41.03,60.8
  RF_Layer_1 w0.16: J30.5d@29.3,62.35 28.78,61.83 28.78,61.62 29.059,61.341 37.959,61.341 38.77,60.53 40.03,60.53 v1(40.3,60.8) 40.57,60.53 42.4,60.53 44.9,63.03 44.9,66.491 51.269,72.86 79.16,72.86 80.635,74.335 114.784,74.335 126.309,85.86 148.891,85.86 150.56,84.191 150.56,68.609 149.891,67.94 144.04,67.94 141.909,65.809 141.909,63.309 140.225,61.625 140.225,59.075 140.68,58.62 142.68,58.62 144.16,57.14 144.16,55.84 144.5,55.5 v1(144.5,55.3)
  Bottom Layer w0.16: U1.34@143.55,57.3 143.55,56.45 144.5,55.5 v1(144.5,55.3)
CLK6A_P: J30.5c R21_30.1 U1.35 | length 178.6
  Top Layer w0.3: v1(40.3,59.8) R21_30.1@41.03,59.8
  RF_Layer_1 w0.16: J30.5c@27.8,62.35 28.32,61.83 28.32,61.43 28.869,60.881 37.768,60.881 38.579,60.07 40.03,60.07 v1(40.3,59.8) 40.57,60.07 42.591,60.07 45.36,62.839 45.36,66.3 51.46,72.4 79.351,72.4 80.825,73.875 114.975,73.875 126.5,85.4 148.7,85.4 150.1,84 150.1,68.8 149.7,68.4 143.849,68.4 141.449,66 141.449,63.5 139.765,61.816 139.765,58.884 140.489,58.16 142.489,58.16 143.7,56.949 143.7,55.7 v1(143.5,55.5)
  Bottom Layer w0.16: U1.35@143.05,57.3 143.05,55.95 v1(143.5,55.5)
CLK7A_N: J30.5f R21_24.1 U1.33 | length 169.4
  RF_Layer_6 w0.16: J30.5f@33.8,62.35 33.28,62.87 33.28,63 33.68,63.4 38.051,63.4 39.021,64.37 40.005,64.37 v1(40.275,64.1) 40.545,64.37 41.391,64.37 45.16,68.139 45.16,69.9 49.46,74.2 76.451,74.2 79.351,77.1 115.4,77.1 123.5,85.2 148.5,85.2 150.1,83.6 150.1,67 149.56,66.46 147.668,66.46 144.54,63.332 144.54,56.86 146.46,54.94 147.76,54.94 v1(148,54.7)
  Bottom Layer w0.16: U1.33@144.05,57.3 144.05,56.692 144.11,56.632 144.11,56.611 144.661,56.06 144.902,56.06 144.962,56 145.5,56 146.8,54.7 v1(148,54.7)
  Bottom Layer w0.3: v1(40.275,64.1) R21_24.1@41.005,64.1
CLK7A_P: J30.5e R22_24.1 U1.32 | length 169.4
  RF_Layer_6 w0.16: J30.5e@32.3,62.35 32.82,62.87 32.82,63.191 33.489,63.86 37.86,63.86 38.83,64.83 40.005,64.83 v1(40.275,65.1) 40.545,64.83 41.2,64.83 44.7,68.33 44.7,70.091 49.269,74.66 76.26,74.66 79.16,77.56 115.209,77.56 123.309,85.66 148.691,85.66 150.56,83.791 150.56,66.809 149.751,66 147.859,66 145,63.141 145,57.051 146.651,55.4 147.8,55.4 v1(148,55.6) v1@148.16,55.6
  Bottom Layer w0.16: U1.32@144.55,57.3 144.57,57.28 144.57,56.801 144.851,56.52 145.98,56.52 146.9,55.6 v1(148,55.6)
  Bottom Layer w0.3: v1(40.275,65.1) R22_24.1@41.005,65.1
CLK8A_N: J30.4d R22_29.1 U1.29 | length 171.8
  RF_Layer_6 w0.16: J30.4d@29.3,64.85 28.78,65.37 28.78,65.729 28.851,65.8 37.951,65.8 38.66,66.509 38.66,68.43 39,68.77 40.005,68.77 v1(40.275,68.5) 40.545,68.77 42.191,68.77 43.56,70.139 43.56,71.5 50.66,78.6 114.391,78.6 122.791,87 149.6,87 152,84.6 152,66.9 150.2,65.1 148.049,65.1 145.94,62.991 145.94,58.809 146.909,57.84 147.66,57.84 v1(148,57.5)
  Bottom Layer w0.16: U1.29@145.85,58.6 146.9,58.6 v1(148,57.5)
  Bottom Layer w0.3: v1(40.275,68.5) R22_29.1@41.005,68.5
CLK8A_P: J30.4c R21_29.1 U1.28 | length 172.3
  RF_Layer_6 w0.16: J30.4c@27.8,64.85 28.32,65.37 28.32,65.92 28.66,66.26 37.76,66.26 38.2,66.7 38.2,68.621 38.809,69.23 40.005,69.23 v1(40.275,69.5) 40.545,69.23 42,69.23 43.1,70.33 43.1,71.691 50.469,79.06 114.2,79.06 122.6,87.46 149.791,87.46 152.46,84.791 152.46,66.709 150.391,64.64 148.24,64.64 146.4,62.8 146.4,59 147.1,58.3 147.8,58.3 v1(148,58.5)
  Bottom Layer w0.16: U1.28@145.85,59.1 147.4,59.1 v1(148,58.5)
  Bottom Layer w0.3: v1(40.275,69.5) R21_29.1@41.005,69.5
CLK9A_N: J30.3d R22_23.1 U1.26 | length 165.1
  RF_Layer_3 w0.16: v1(40.275,72.9) 40.545,73.17 43.791,73.17 45.56,74.939 45.56,75.9 48.26,78.6 81.291,78.6 82.991,80.3 122.8,80.3 129.5,87 140.3,87 142.2,85.1 142.2,70.451 139.94,68.191 139.94,66.56 142.76,63.74 149.76,63.74 150.8,62.7 150.8,60.4 150.1,59.7 149.3,59.7 v1(149,60)
  RF_Layer_6 w0.16: J30.3d@29.3,67.35 28.78,67.87 28.78,68.1 29.08,68.4 36.4,68.4 38.96,70.96 38.96,72.627 39.503,73.17 40.005,73.17 v1(40.275,72.9)
  Bottom Layer w0.16: U1.26@145.85,60.1 148.9,60.1 v1(149,60)
  Bottom Layer w0.3: v1(40.275,72.9) R22_23.1@41.005,72.9
CLK9A_P: J30.3c R21_23.1 U1.27 | length 167.6
  RF_Layer_3 w0.16: v1(40.275,73.9) 40.545,73.63 43.6,73.63 45.1,75.13 45.1,76.091 48.069,79.06 81.1,79.06 82.8,80.76 122.609,80.76 129.309,87.46 140.491,87.46 142.66,85.291 142.66,70.26 140.4,68 140.4,66.751 142.951,64.2 149.951,64.2 151.26,62.891 151.26,60.209 150.291,59.24 149.24,59.24 v1(149,59)
  RF_Layer_6 w0.16: J30.3c@27.8,67.35 28.32,67.87 28.32,68.291 28.889,68.86 36.209,68.86 38.5,71.151 38.5,72.818 39.312,73.63 40.005,73.63 v1(40.275,73.9)
  Bottom Layer w0.16: U1.27@145.85,59.6 148.4,59.6 v1(149,59)
  Bottom Layer w0.3: v1(40.275,73.9) R21_23.1@41.005,73.9
CLK10A_N: J30.1d R22_28.1 U1.24 | length 181.4
  RF_Layer_1 w0.16: 28.782,72.868 J30.1d@29.3,72.35 ; 37.5,78.7 37.5,85.37 38.5,86.37 40.03,86.37 v1(40.3,86.1) ; 40.809,86.368 40.811,86.368 40.814,86.365 41.1,86.365 42.3,85.165 42.3,80.549 44.009,78.84 113.831,78.84 123.491,88.5 151.6,88.5
  RF_Layer_1 w0.164: 28.782,72.868 28.782,73.129 29.053,73.4 36.291,73.4 37.502,74.611 37.502,78.7 ; v1(40.3,86.1) 40.568,86.368 40.809,86.368 ; v1(149,62) 149.3,61.7 151.6,61.7 154,64.1 154,86.1 151.6,88.5
  Bottom Layer w0.164: U1.24@145.85,61.1 148.1,61.1 v1(149,62)
  Bottom Layer w0.3: v1(40.3,86.1) R22_28.1@41.03,86.1
CLK10A_P: J30.1c R21_28.1 U1.25 | length 183.5
  RF_Layer_1 w0.16: J30.1c@27.8,72.35 28.32,72.87 28.32,73.42 28.762,73.862 36.1,73.862 37.04,74.802 37.04,85.561 38.309,86.83 40.03,86.83 v1(40.3,87.1) 40.57,86.83 41,86.83 41.005,86.825 41.291,86.825 42.76,85.356 42.76,80.74 44.2,79.3 113.638,79.3 123.3,88.962 151.791,88.962 154.462,86.291 154.462,63.909 151.791,61.238 149.238,61.238 v1(149,61)
  Bottom Layer w0.16: U1.25@145.85,60.6 148.6,60.6 v1(149,61)
  Bottom Layer w0.3: v1(40.3,87.1) R21_28.1@41.03,87.1
CLK11A_N: J30.2b R22_22.1 U1.22 | length 173.7
  RF_Layer_6 w0.16: J30.2b@24.8,69.85 24.28,70.37 24.28,70.5 24.62,70.84 36.591,70.84 37.5,71.749 37.5,80.27 39.2,81.97 40.005,81.97 v1(40.275,81.7) 40.545,81.97 115.47,81.97 122,88.5 151.4,88.5 153.4,86.5 153.4,66.3 150.6,63.5 148,63.5 v1(147.5,63)
  Bottom Layer w0.16: U1.22@145.85,62.1 146.6,62.1 v1(147.5,63)
  Bottom Layer w0.3: v1(40.275,81.7) R22_22.1@41.005,81.7
CLK11A_P: J30.2a R21_22.1 U1.23 | length 176
  RF_Layer_6 w0.16: J30.2a@23.3,69.85 23.82,70.37 23.82,70.691 24.429,71.3 36.4,71.3 37.04,71.94 37.04,80.461 39.009,82.43 40.005,82.43 v1(40.275,82.7) 40.545,82.43 115.279,82.43 121.809,88.96 151.591,88.96 153.86,86.691 153.86,66.109 150.791,63.04 148.54,63.04 v1(147.5,62)
  Bottom Layer w0.16: U1.23@145.85,61.6 147.1,61.6 v1(147.5,62)
  Bottom Layer w0.3: v1(40.275,82.7) R21_22.1@41.005,82.7
CLK12A_N: J30.3f R22_27.1 U1.18 | length 166
  RF_Layer_1 w0.16: J30.3f@33.8,67.35 33.28,67.87 33.28,68.1 33.58,68.4 38.351,68.4 39.06,69.109 39.06,77.221 39.409,77.57 40.005,77.57 v1(40.275,77.3) 40.545,77.57 47.63,77.57 50.96,74.24 78.291,74.24 79.951,75.9 113.551,75.9 124.591,86.94 150.46,86.94 152.6,84.8 152.6,67.9 151.96,67.26 145.76,67.26 144.84,66.34 144.84,65.8 144.6,65.56 v1(144.6,65.2)
  Bottom Layer w0.16: U1.18@144.05,63.4 144.05,64.65 v1(144.6,65.2)
  Bottom Layer w0.3: v1(40.275,77.3) R22_27.1@41.005,77.3
CLK12A_P: J30.3e R21_27.1 U1.19 | length 167.7
  RF_Layer_1 w0.16: J30.3e@32.3,67.35 32.82,67.87 32.82,68.291 33.389,68.86 38.16,68.86 38.6,69.3 38.6,77.411 39.219,78.03 39.6,78.03 40.005,78.03 v1(40.275,78.3) 40.545,78.03 47.821,78.03 51.151,74.7 78.1,74.7 79.76,76.36 113.36,76.36 124.4,87.4 150.651,87.4 153.06,84.991 153.06,67.709 152.151,66.8 145.951,66.8 145.3,66.149 145.3,65.3 v1(145.4,65.2)
  Bottom Layer w0.16: U1.19@144.55,63.4 144.55,64.45 144.62,64.52 144.882,64.52 145.28,64.918 145.28,65.18 v1@145.3,65.2
  Bottom Layer w0.3: v1(40.275,78.3) R21_27.1@41.005,78.3
CLK13A_N: J31.9f R22_21.1 U1.16 | length 139.9
  Top Layer w0.16: v1(143.05,66) 143.05,66.68 R22_21.1@143.1,66.73
  RF_Layer_3 w0.16: J31.9f@33.8,77.35 33.28,77.87 33.28,78.1 33.58,78.4 37.051,78.4 38.351,79.7 43.951,79.7 44.8,80.549 68.649,80.549 71.1,83 123.091,83 128.491,88.4 140.9,88.4 143.5,85.8 143.5,66.462 143.05,66.012 v1(143.05,66)
  Bottom Layer w0.16: U1.16@143.05,63.4 v1(143.05,66)
CLK13A_P: J31.9e R21_21.1 U1.17 | length 141.4
  Top Layer w0.16: v1(144,66) 144.1,66.1 R21_21.1@144.1,66.73
  RF_Layer_3 w0.16: J31.9e@32.3,77.35 32.82,77.87 32.82,78.291 33.389,78.86 36.86,78.86 38.16,80.16 43.76,80.16 44.609,81.009 68.459,81.009 69.775,82.325 70.909,83.46 122.9,83.46 128.3,88.86 141.091,88.86 143.96,85.991 143.96,66.04 v1(144,66)
  Bottom Layer w0.16: U1.17@143.55,63.4 143.55,65.55 v1(144,66)
CLK14A_N: J30.7b R21_26.1 U1.15 | length 185.4
  Top Layer w0.3: v1(40.3,47.6) R21_26.1@41.03,47.6
  RF_Layer_1 w0.16: v1(40.3,47.6) 40.5,47.4 42.749,47.4 47.84,52.491 47.84,67.191 51.609,70.96 76.691,70.96 79.925,67.725 85.125,67.725 89.76,72.36 116.616,72.36 127.491,83.235 146.365,83.235 148.06,81.54 148.06,70.509 146.851,69.3 142.86,69.3 142.16,68.6 142.16,67.76 v1(141.3,66.9)
  RF_Layer_6 w0.16: J30.7b@24.8,57.35 24.28,56.83 24.28,56.617 24.534,56.363 36.134,56.363 36.833,55.664 36.833,54.397 36.83,54.394 36.83,48.082 37.582,47.33 39.83,47.33 ; 39.4,47.33 40.03,47.33 v1(40.3,47.6)
  Bottom Layer w0.16: 141.85,65.1 142.05,65.1 142.55,64.6 U1.15@142.55,63.4
  Bottom Layer w0.3: v1(141.3,66.9) 141.1,66.7 141.1,65.7 141.7,65.1 141.85,65.1
CLK14A_P: J30.7a R22_26.1 U1.14 | length 185.6
  Top Layer w0.3: v1(40.3,46.6) R22_26.1@41.03,46.6
  RF_Layer_1 w0.16: v1(40.3,46.6) 40.64,46.94 42.94,46.94 48.3,52.3 48.3,67 51.8,70.5 76.5,70.5 79.735,67.265 85.316,67.265 89.951,71.9 116.806,71.9 127.681,82.775 146.175,82.775 147.6,81.349 147.6,70.7 146.66,69.76 142.669,69.76 141.7,68.791 141.7,68.5 v1(141.1,67.9)
  RF_Layer_6 w0.16: J30.7a@23.3,57.35 23.82,56.83 23.82,56.426 24.343,55.903 35.944,55.903 36.373,55.474 36.373,54.587 36.37,54.585 36.37,47.892 37.392,46.87 39.83,46.87 ; 39.4,46.87 40.03,46.87 v1(40.3,46.6)
  Bottom Layer w0.16: 141.9,64.5 142.05,64.35 U1.14@142.05,63.4
  Bottom Layer w0.3: v1(141.1,67.9) 140.5,67.3 140.5,65.451 141.451,64.5 141.9,64.5
Diff_2_N: C12_2.1 U3_1.2 | length 83.3
  Top Layer w0.3: v1(91.084,33.782) 90.957,33.909 88.341,33.909 87.808,33.376 87.808,31.318 92.135,26.991 122.967,26.991 124.973,28.997 132.142,28.997 132.189,28.95 132.811,28.95 132.858,28.997 136.458,28.997 139.659,25.797 151.749,25.797 153.446,24.1 157.105,24.1 v1(157.905,24.9)
  Bottom Layer w0.16: v1(91.084,33.782) 91.652,34.35 U3_1.2@92.75,34.35
  Bottom Layer w0.381: v1(157.905,24.9) C12_2.1@158.545,24.9
Diff_2_P: C7_2.1 U3_1.3 | length 85.2
  Top Layer w0.3: v1(90.527,34.85) 90.186,34.509 88.093,34.509 87.208,33.624 87.208,31.07 91.887,26.391 123.215,26.391 125.222,28.397 131.894,28.397 131.941,28.35 133.059,28.35 133.106,28.397 136.21,28.397 139.41,25.197 151.501,25.197 153.197,23.5 157.005,23.5 v1(157.905,22.6)
  Bottom Layer w0.16: v1(90.527,34.85) U3_1.3@92.75,34.85
  Bottom Layer w0.381: v1(157.905,22.6) C7_2.1@158.545,22.6
Diff_13_N: C12_13.1 U3_2.2 | length 184.2
  RF_Layer_3 w0.16: v2(90.6,58.7) 90.2,59.1 80.8,59.1 74.6,52.9 74.6,-22.3 77.6,-25.3 152.249,-25.3 156.529,-21.02 157.6,-21.02 157.91,-20.71 v1(157.91,-20.1)
  Bottom Layer w0.2: v2(90.6,58.7) 91.2,59.3 91.574,59.3 91.583,59.29 91.643,59.35 U3_2.2@92.85,59.35
  Bottom Layer w0.381: v1(157.91,-20.1) C12_13.1@158.55,-20.1
Diff_13_P: C7_13.1 U3_2.3 | length 185.4
  RF_Layer_3 w0.16: v2(90.6,59.8) 90.36,59.56 80.609,59.56 74.14,53.091 74.14,-22.491 77.409,-25.76 152.44,-25.76 156.72,-21.48 157.6,-21.48 157.91,-21.79 v1(157.91,-22.4)
  Bottom Layer w0.2: v2(90.6,59.8) 91.386,59.8 91.436,59.85 U3_2.3@92.85,59.85
  Bottom Layer w0.381: v1(157.91,-22.4) C7_13.1@158.55,-22.4
Diff_25_N: C12_25.1 IC1.4 R3.1 | length 60.2
  Top Layer w0.3: v1(129.03,59.77) 128.86,59.6 126.251,59.6 125.076,58.424 124.9,58.249 124.9,52.651 125.076,52.476 126.551,51 153.9,51 155.1,49.8 155.276,49.624 160.573,49.624 160.749,49.8 162.124,51.176 162.3,51.351 162.3,53.049 161.249,54.1 159.281,54.1 158.901,54.48 158.35,54.48 v1(157.9,54.93)
  Bottom Layer w0.2: v1(129.03,59.77) 130.15,59.77 130.395,59.525 IC1.4@131.85,59.525
  Bottom Layer w0.381: v1(157.9,54.93) C12_25.1@158.54,54.93
Diff_25_P: C7_25.1 IC1.3 R3.2 | length 56.2
  Top Layer w0.3: v1(129.03,58.83) 128.86,59 126.5,59 125.5,58 125.5,52.9 126.8,51.6 154.149,51.6 155.524,50.224 160.324,50.224 161.7,51.6 161.7,52.8 161,53.5 159.421,53.5 158.901,52.98 158.25,52.98 v1(157.9,52.63)
  Bottom Layer w0.2: v1(129.03,58.83) 130.15,58.83 130.395,59.075 IC1.3@131.85,59.075
  Bottom Layer w0.381: v1(157.9,52.63) C7_25.1@158.54,52.63
DVDDP_3V3: J2.20 L5.1 P2.20 | length 24.9
  Top Layer w0.5: v1(92.04,-15.14) 92.1,-15.2 L5.1@93.3,-15.2
  RF_Layer_1 w0.5: v1(92.04,-15.14) 93.34,-15.14 95.5,-17.3 95.5,-19.5 98.6,-22.6 98.6,-30.42 P2.20@99.82,-31.64
  Bottom Layer w0.4: J2.20@90.522,-17.64 90.522,-16.64 91.323,-15.84 91.33,-15.84 v1@92.035,-15.135